# Altium PCB fish_v1.1.PcbDoc
Units mm, origin at the board's own origin, x right, y up, seen from the top; angles counter-clockwise.
Board outline 70 x 58 mm, 2 copper layers (Top Layer, Bottom Layer); 44 components, 34 nets, 153 pads, 157 vias.
Unrouted connection lines stored in the file: 42.
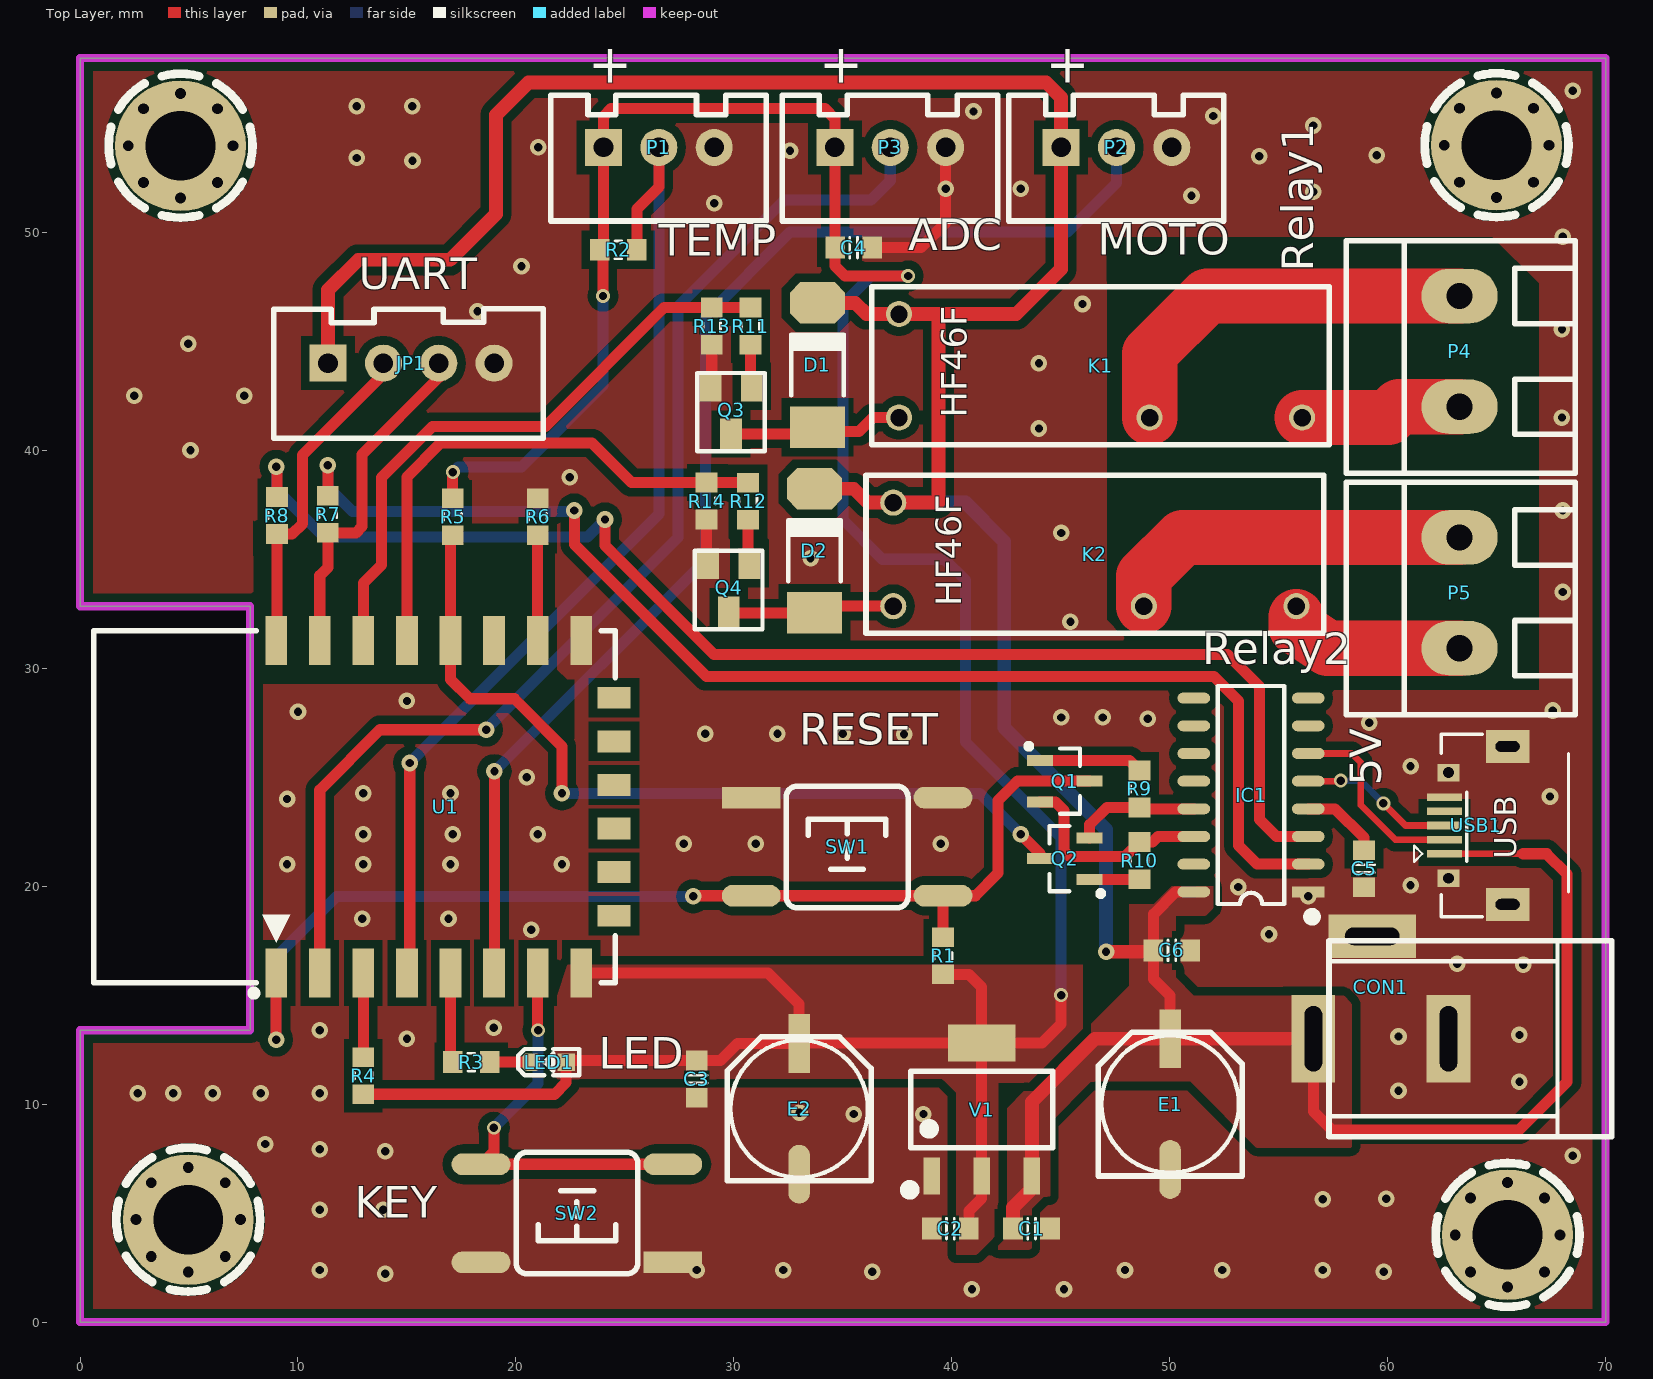
[diagram p0: Top Layer view]
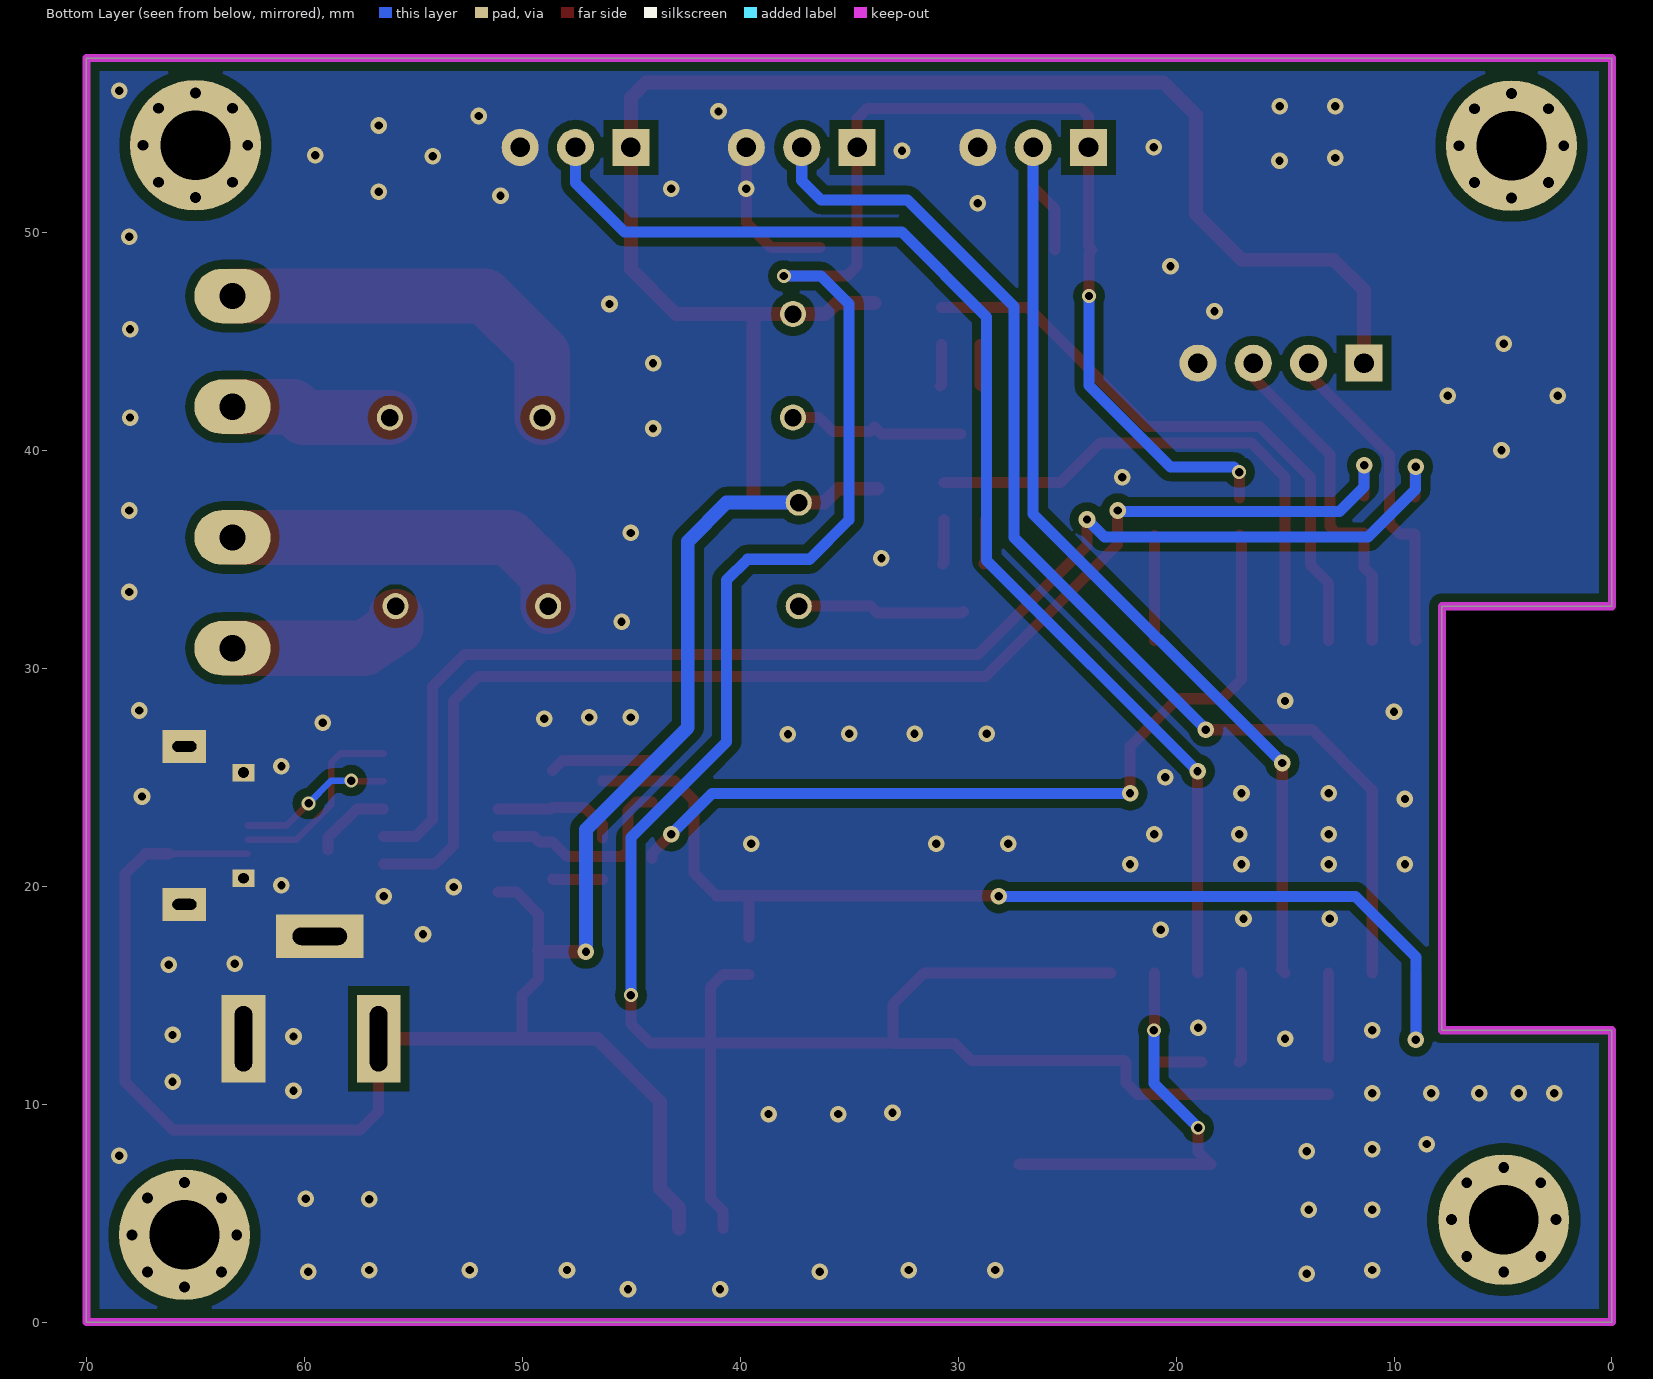
[diagram p1: Bottom Layer view, seen from below]

## Layer stack, top to bottom
Top Solder: solder mask 0.0102, Solder Resist, Dk 3.5
Top Layer: signal copper 0.0356
Dielectric 1: dielectric 0.32, FR-4, Dk 4.8
Bottom Layer: signal copper 0.0356
Bottom Solder: solder mask 0.0102, Solder Resist, Dk 3.5

## Board outline
0,13.386 7.799,13.386 7.799,32.848 0,32.848 0,58 70,58 70,0 0,0

## Design rules (kind name [scope] priority, off if disabled: settings)
Clearance [All] p1: gap=0.254 ignorepadtopadclearanceinfootprint=FALSE except(0: Arc-Hole Track-Hole SMDPad-Hole THPad-Hole Via-Hole Fill-Hole Poly-Hole Region-Hole Text-Hole; 0.4: Arc-Fill Arc-Poly Arc-Region Track-Fill Track-Poly Track-Region SMDPad-Fill SMDPad-Poly SMDPad-Region THPad-Fill THPad-Poly THPad-Region Via-Fill Via-Poly Via-Region Fill-Fill Fill-Poly Fill-Region Poly-Poly Poly-Region Region-Region)
PolygonConnect [All] p1: connectstyle=Direct reliefconductorwidth=0.254 reliefentries=4 polygonreliefangle="90 Angle" airgapwidth=0.254
RoutingVias [All] p1: holewidth=0.381 width=0.635 viastyle="Through Hole" minholewidth=0.381 minwidth=0.635 maxholewidth=0.711 maxwidth=1.27
SolderMaskExpansion [All] p1: expansion=0.102
Width [All] p1: maxlimit=2.54 minlimit=0.254 preferedwidth=0.3
30 further rules are at their usual default settings.

## Components (designator, comment, footprint, x,y, rotation, side; value= is the part's Value field where it differs from the comment)
C1 "104" CAP_0603 43.661,4.289 r180 top
C2 "104" CAP_0603 39.939,4.289 r0 top
C3 "106" CAP_0603 28.3,11.148 r90 top
C4 "104" CAP_0603 35.5,49.3 r180 top
C5 "104" CAP_0603 58.918,20.803 r270 top
C6 "104" CAP_0603 50.1,17.05 r180 top
CON1 "3.5*1.3" DC-005 62.795,13 r0 top
D1 "Diode  Glass" "MELF (LL41)" 33.839,43.916 r90 top
D2 "Diode  Glass" "MELF (LL41)" 33.702,35.388 r90 top
E1 "10uF/10V" "CM D(6.3*5.4)" 50.023,10 r90 top
E2 "10uF/10V" "CM D(6.3*5.4)" 33,9.784 r90 top
IC1 "CH340G" SOP16_L 53.736,24.183 r180 top
JP1 "HDR-1X4" XH2.54-4P 11.38,44 r0 top
K1 "Relay-SPST" RELAY_HF46F 46.829,43.878 r0 top
K2 "Relay-SPST" RELAY_HF46F 46.565,35.223 r0 top
LED1 "蓝色" LED0603BLU 21.506,11.927 r180 top
P1 "Header 3" XH2.54-3P 24.02,53.9 r0 top
P2 "舵机" XH2.54-3P 45.02,53.9 r0 top
P3 "AD传感器" XH2.54-3P 34.639,53.9 r0 top
P4 "Header 2" KF128-5.08-2P 63.303,42 r90 top
P5 "Header 2" KF128-5.08-2P 63.303,30.92 r90 top
Q1 "SS8050" SOT23-3N 45.185,24.818 r270 top
Q2 "SS8050" SOT23-3N 45.185,21.262 r90 top
Q3 "NPN-SMT" SOT-23 30.825,42.949 r180 top
Q4 "NPN-SMT" SOT-23 30.715,34.794 r180 top
R1 "1K" RES_0603 39.6,16.8 r90 top
R2 "1K" RES_0603 24.7,49.2 r0 top
R3 "1K" RES_0603 17.956,11.927 r0 top
R4 "1K" RES_0603 13,11.3 r90 top
R5 "1K" RES_0603 17.1,36.952 r90 top
R6 "1K" RES_0603 21,36.95 r90 top
R7 "1K" RES_0603 11.369,37.059 r90 top
R8 "1K" RES_0603 9.032,37.008 r90 top
R9 "1K" RES_0603 48.614,24.46 r90 top
R10 "1K" RES_0603 48.614,21.174 r270 top
R11 "Resistor Chip" RES_0603 30.764,45.702 r90 top
R12 "Resistor Chip" RES_0603 30.654,37.666 r90 top
R13 "Resistor Chip" RES_0603 28.986,45.702 r90 top
R14 "Resistor Chip" RES_0603 28.749,37.674 r90 top
SW1 "6x6x5" "TSW SMD-6*6*4.3" 35.2,21.8 r0 top
SW2 "6x6x5" "TSW SMD-6*6*4.3" 22.8,5 r180 top
U1 "ESP8266-12E" ESP_12E 9,15.644 r90 top
USB1 "USB-5P" USB-MICRO_B 65.505,22.786 r90 top
V1 "AMS1117-3V3" SOT223_L 41.375,9.75 r0 top

## Footprints (in the part's own frame and the unit in brackets; to place one, negate y for a bottom-side part, rotate by r counter-clockwise, add the part's x,y. Pads: shape width x height; smd on the part's side, far side on the other; paste and mask are expansions set on the pad)
CAP_0603 [mm] "Chip Capacitor, Body 1.6x0.8mm, 06"
  rect 0.9x1 smd: 1(-0.85,0) 2(0.85,0)
  Top Layer pour cut-out: -0.4,0.6 0.4,0.6 0.4,-0.6 -0.4,-0.6
  silkscreen extent -0.18,-0.48 0.18,0.48, body extent -0.85,-0.45 0.85,0.45, height 0.89
"CM D(6.3*5.4)" [mm] "贴片电解电容，直径6.3mm，高5.4mm"
  rect 2.7x1 smd: 1(3,0)
  oval 2.7x1 smd: 2(-3,0)
  silkscreen extent -3.3,-3.3 3.3,3.3, body extent -3.5,-3.3 3.5,3.3, height 5.4
DC-005 [mm] "5.5*2.1mm，DC30V,2.5A"
  rect 2x4 hole 0.8 slot 3 at 90 deg: 1(-6.2,0) 2(0,0)
  rect 4x2 hole 0.8 slot 2.5 at 0 deg: 3(-3.5,4.7)
  silkscreen extent -5.48,-4.5 7.5,4.5, body extent -6.55,-4.5 7.5,4.8, height 11.2
ESP_12E [mm] "ESP-12 Wi-Fi Module by AI-Thinker"
  rect 2.25x1 smd: 1(0.375,0) 2(0.375,-2) 3(0.375,-4) 4(0.375,-6) 5(0.375,-8) 6(0.375,-10) 7(0.375,-12) 8(0.375,-14) 15(15.625,-14) 16(15.625,-12) 17(15.625,-10) 18(15.625,-8) 19(15.625,-6) 20(15.625,-4) 21(15.625,-2) 22(15.625,0)
  rect 1x1.5 smd: 9(3,-15.5) 10(5,-15.5) 11(7,-15.5) 12(9,-15.5) 13(11,-15.5) 14(13,-15.5)
  silkscreen extent -0.7,-15.57 16.08,8.37, body extent 0,-15.49 16,8.51, height 2.75
KF128-5.08-2P [mm] "螺钉式接线端子，脚距5.08mm"
  oval 2.5x3.5 hole 1.2: 1(0,0) 2(5.08,0)
  silkscreen extent -3.05,-5.31 7.62,5.21, body extent -3.04,-5.3 7.62,5.2, height 14.15
LED0603BLU [mm] "LED SMD 0603, BLUE"
  rect 0.8x0.8 smd mask+0.075: 1(-0.8,0)
  rrect50% 0.8x0.8 smd mask+0.075: 2(0.8,0)
  silkscreen extent -1.4,-0.6 1.4,0.6, body extent -0.8,-0.4 0.8,0.4, height 0.5
"MELF (LL41)" [mm] "2.4*5.3mm(直径，脚距）"
  rect 1.9x2.54 smd: 1(-2.85,0)
  oct 1.9x2.54 smd: 2(2.85,0)
  silkscreen extent -1.4,-1.2 1.4,1.2, body extent -2.65,-1.2 2.65,1.2, height 2.4
RELAY_HF46F [mm]
  round 1.2 hole 0.8: 1(2.25,-2.375) 2(9.25,-2.375) 3(-9.25,2.375) 4(-9.25,-2.375)
  silkscreen extent -10.5,-3.62 10.5,3.63
RES_0603 [mm]
  rect 0.9x1 smd: 1(-0.85,0) 2(0.85,0)
  Top Layer pour cut-out: -0.4,0.6 0.4,0.6 0.4,-0.6 -0.4,-0.6
  silkscreen extent -0.15,-0.41 0.15,0.41, body extent -0.87,-0.47 0.88,0.48, height 0.54
SOP16_L [mm] "10.3*6.2*1.8mm（长宽高）"
  rect 1.5x0.5 smd: 1(-2.625,4.445)
  oval 1.5x0.5 smd: 2(-2.625,3.175) 3(-2.625,1.905) 4(-2.625,0.635) 5(-2.625,-0.635) 6(-2.625,-1.905) 7(-2.625,-3.175) 8(-2.625,-4.445) 9(2.625,-4.445) 10(2.625,-3.175) 11(2.625,-1.905) 12(2.625,-0.635) 13(2.625,0.635) 14(2.625,1.905) 15(2.625,3.175) 16(2.625,4.445)
  silkscreen extent -2.95,-5 1.52,5.74, body extent -3,-5 3,5, height 1.9
SOT23-3N [mm] "3x1.3x1mm(长宽高)"
  rect 0.5x1.2 smd: 1(-0.95,-1.143) 2(0.95,-1.143) 3(0,1.143)
  silkscreen extent -1.72,-1.78 1.5,0.7, body extent -1.5,-1.2 1.5,1.2, height 1.05
SOT223_L [mm] "6.4x7x1.6mm(长宽高)"
  rect 0.75x1.7 smd: 1(-2.3,-3.048) 2(0,-3.048) 3(2.3,-3.048)
  rect 3.1x1.7 smd: 2(0,3.048)
  silkscreen extent -3.5,-3.88 3.25,1.75, body extent -3.25,-3.51 3.25,3.51, height 1.65
SOT-23 [mm]
  rect 1x1.4 smd: 1(0,0) 2(1.9,0) 3(0.95,2.2)
  silkscreen extent -0.6,-0.6 2.5,3, body extent -0.51,-0.18 2.39,2.62
"TSW SMD-6*6*4.3" [mm] "6*6*4.3mm"
  rect 2.7x1 smd: 1(-4.4,2.261)
  oval 2.7x1 smd: 2(-4.4,-2.239) 3(4.4,-2.239) 4(4.4,2.261)
  silkscreen extent -2.79,-2.79 2.79,2.79, body extent -4.5,-3 4.5,3, height 4.25
USB-MICRO_B [mm] "micro型USB ，5.7*7.8*2.5mm"
  rect 0.35x1.6 smd: 1(-1.3,2.9) 2(-0.65,2.9) 3(0,2.9) 4(0.65,2.9) 5(1.3,2.9)
  rect 1.5x2 hole 0.5 slot 1.1 at 90 deg: 5(-3.625,0) 5(3.625,0)
  rect 0.8x1 hole 0.5: 5(-2.425,2.71) 5(2.425,2.71)
  silkscreen extent -4.19,-2.79 4.19,4.3, body extent -4,-2.71 4,2.89, height 2.8
XH2.54-3P [mm] "接插件，3P"
  rect 1.7x1.7 hole 0.9: 1(0,0)
  round 1.7 hole 0.9: 2(2.54,0) 3(5.08,0)
  silkscreen extent -2.41,-3.38 7.47,2.39, body extent -2.5,-3.3 7.58,2.4, height 7.03
XH2.54-4P [mm] "接插件，4P"
  rect 1.7x1.7 hole 0.9: 1(0,0)
  round 1.7 hole 0.9: 2(2.54,0) 3(5.08,0) 4(7.62,0)
  silkscreen extent -2.49,-3.45 9.88,2.49, body extent -2.5,-3.3 10.12,2.4, height 7.03

## Part data
C1 C2 C3 C4 C5 C6: library part C, "无极性贴片电容", BOM名称=无, 学习资源=https://lmdzstyle.taoba
CON1: library part P-DC, "低压电源接口", BOM名称=DCµ, 学习资源=https://lmdzstyle.taoba
D1 D2: "High Conductance Fast Diode", Package Reference=DO-35, Code - JEDEC=DO-204-AH, Datasheet="Latest Revision: 1997", Model=IN4148, Published=8-Jun-2000, Publisher="Altium Limited", Revision 1="11-Jul-2000: SIM Model Added.", Revision 2="17-Jul-2002: Re-released for DXP Platform."
E1 E2: library part C-CM, "贴片电解电容"
IC1: "串口转USB", BOM名称=串, 学习资源=https://lmdzstyle.taoba
JP1: library part "Header 4", "4P接插件", BOM名称=4P, 学习资源=https://lmdzstyle.taoba
K1 K2: "Single-Pole Single-Throw Relay", Published=24-Mar-1999, Publisher="Altium Limited", Revision="July-2002: Re-released for DXP Platform."
LED1: library part LED-3MM, "插件LED", BOM名称=², 学习资源=https://lmdzstyle.taoba
P1: "Header, 3-Pin", LatestRevisionDate=17-Jul-2002, LatestRevisionNote="Re-released for DXP Platform.", Publisher="Altium Limited"
P2 P3: library part "Header 3", "Header, 3-Pin", LatestRevisionDate=17-Jul-2002, LatestRevisionNote="Re-released for DXP Platform.", Publisher="Altium Limited"
P4 P5: "Header, 2-Pin", LatestRevisionDate=17-Jul-2002, LatestRevisionNote="Re-released for DXP Platform.", Publisher="Altium Limited"
Q1 Q2: library part 8050-SMD, "高频放大-NPN型", BOM名称=¸ßÆ, 学习资源=https://lmdzstyle.taoba, 属性="40V 1.5A 1W 100M"
Q3 Q4: "NPN Bipolar Transistor", Code - JEDEC=TO-226-AA, Published=8-Jun-2000, Publisher="Altium Limited", Revision="July-2002: Re-released for DXP Platform."
R1 R2 R3 R4 R5 R6 R7 R8 R9 R10: library part R, "贴片电阻", BOM名称=Ì, 学习资源=https://lmdzstyle.taoba
R11 R12 R13 R14: "Resistor", Published=8-Jun-2000, Publisher="Altium Limited", Revision="July-2002: Re-released for DXP Platform."
SW1 SW2: library part "TSW SMD-6x6", "贴片6x6轻触开关", BOM名称=贴片6, 学习资源=https://lmdzstyle.taoba
U1: "串口 WIFI模块，ESP-12E", BOM名称=WIFI, 学习资源=https://lmdzstyle.taoba
USB1: "微型USB母座", BOM名称=Î¢Ð, 学习资源=https://lmdzstyle.taoba
V1: library part AMS1117, "三端稳压芯片", BOM名称=Î, 学习资源=https://lmdzstyle.taoba

## Free pads (board coordinates)
  round 6 / inner round 3.5 / far side round 6 hole 3.2 mask+0.1: 1(4.611,53.978) 1(4.964,4.695) 1(65,54) 1(65.505,4)

## Via types
v1: diameter 0.762, hole 0.381, Top Layer to Bottom Layer, tented both sides, 117 vias
v2: diameter 0.8, hole 0.5, Top Layer to Bottom Layer, 32 vias
v3: diameter 0.635, hole 0.381, Top Layer to Bottom Layer, tented both sides, 8 vias

## Nets (pads, with @x,y where several pads share a name; then routed paths per layer and width w, separated by ;. In a path a pad name is that pad's centre, name@x,y a point inside that pad or via, vN(x,y) a via of type N, cw(c..) or ccw(c..) an arc to the next point about the centre after c; other vN are vias at no path point)
+3.3: C2.2 C3.2 C4.2 E2.1 LED1.1 P1.1 P3.1 R1.1 R2.1 R4.1 R5.2 U1.8 V1.2 | length 145.5
  Top Layer w0.508: R4.1 21.768,10.45 22.306,10.988 LED1.1 22.377,11.998 C3.2 29.386,11.998 30.173,12.784 E2.1 ; R5.2 17.1,38.994 v3(17.106,39) ; U1.8 31.57,16.019 33,14.589 E2.1 ; v3(24,47.08) 24,49.05 R2.1 24.02,49.37 P1.1 24.02,55.323 24.374,55.677 34.176,55.677 34.639,55.214 P3.1 34.65,53.889 C4.2 34.65,48.45 35.1,48 v3(38,48) ; R1.1 40.8,15.95 41.375,15.375 V1.2@41.375,12.798 ; C2.2 40.789,5.087 41.375,5.673 41.375,6.702 V1.2@41.375,12.798 ; v3(45.02,15) 45.02,13.674 44.144,12.798 V1.2@41.375,12.798 ; E2.1 33.014,12.798 V1.2@41.375,12.798
  Bottom Layer w0.508: v3(17.106,39) 17.349,39.243 20.264,39.243 24,42.979 v3(24,47.08) ; v3(38,48) 36.288,48 35,46.712 35,36.814 36.814,35 39.669,35 40.624,34.046 40.624,26.625 45.02,22.229 v3(45.02,15)
+5: C1.2 C6.2 CON1.1 D1.2 D2.2 E1.1 IC1.16 JP1.1 K1.3 K2.3 P2.1 USB1.1 V1.3 | length 167.8
  Top Layer w0.305: USB1.1 66.219,21.486
  Top Layer w0.508: E1.1 50.023,14.977 49.25,15.75 C6.2 49.25,18.711 50.277,19.738 IC1.16 ; CON1.1 56.595,9.663 57.444,8.814 66.03,8.814 68.239,11.024 68.239,20.549 67.302,21.486 66.219,21.486
  Top Layer w0.635: JP1.1 11.38,47.357 12.766,48.743 16.982,48.743 19.09,50.851 19.09,55.387 20.574,56.871 44.338,56.871 45.02,56.189 P2.1 45.02,48.312 42.961,46.253 39.385,46.253 ; D2.2 35.505,38.238 36.145,37.598 K2.3 39.385,37.598 39.385,46.253 ; D1.2 35.57,46.766 36.083,46.253 K1.3 39.385,46.253 ; C1.2 42.811,5.255 43.675,6.119 V1.3 43.675,10.107 46.568,13 E1.1 CON1.1 ; v1(47.081,16.993) 49.193,16.993 C6.2
  Bottom Layer w0.635: K2.3 40.624,37.598 42.408,35.814 42.408,27.28 47.081,22.606 v1(47.081,16.993)
ADC: P3.2 U1.2 | length 53.9
  Top Layer w0.508: U1.2 11,24.409 13.769,27.178 v1(18.633,27.178)
  Bottom Layer w0.508: v1(18.633,27.178) 27.447,35.992 27.447,46.609 32.325,51.487 36.288,51.487 37.179,52.379 P3.2
DS18B20: P1.2 R2.2 U1.4 | length 47.8
  Top Layer w0.508: U1.4 15.153,16.172 15.128,16.198 v1(15.128,25.654) ; R2.2 25.55,51.064 26.56,52.074 P1.2
  Bottom Layer w0.508: v1(15.128,25.654) 26.56,37.086 P1.2
GND: C1.1 C2.1 C3.1 C4.1 C5.2 C6.1 CON1.2 CON1.3 E1.2 E2.2 IC1.1 JP1.4 P1.3 P2.3 P3.3 Q3.2 Q4.2 R6.2 R13.1 R14.1 SW1.1 SW1.4 SW2.1 SW2.4 U1.15 USB1.5 V1.1 | length 11.3
  Top Layer w0.508: R14.1 28.749,34.86 Q4.2 ; Q3.2 28.986,43.01 R13.1 ; C4.1 38.582,49.3 39.719,50.437 P3.3
  other v1: 40.926,1.5 45.151,1.5 14,2.22 36.35,2.303 59.818,2.303 11,2.383 28.3,2.383 32.269,2.383 47.951,2.383 52.408,2.383 57.031,2.383 11,5.152 13.92,5.152 57.031,5.634 59.935,5.659 68.5,7.625 14,7.841 11,7.929 8.5,8.165 35.5,9.542 38.7,9.542 33.014,9.6 2.652,10.5 4.28,10.5 6.092,10.5 8.286,10.5 11,10.5 60.5,10.616 66.048,11.024 15,13 60.5,13.1 66.048,13.175 11,13.386 18.989,13.5 66.219,16.4 63.192,16.438 54.555,17.794 20.706,18 12.944,18.5 16.908,18.5 56.361,19.533 53.152,19.96 61.054,20.039 9.5,21 13,21 17,21 22.113,21 27.7,21.95 31,21.95 39.5,21.95 13,22.377 17.106,22.377 21,22.377 9.5,24 67.454,24.116 13,24.257 17,24.257 20.5,25 61.054,25.5 37.813,26.974 28.692,27 32,27 35,27 59.163,27.5 49,27.686 45.02,27.744 46.93,27.744 10,28 67.58,28.06 15,28.5 45.446,32.135 68.031,33.5 33.522,35.052 45.02,36.209 68.031,37.236 22.468,38.76 5.068,40 44,41 68,41.503 2.481,42.5 7.528,42.5 44,44 4.964,44.892 68,45.554 18.239,46.381 46,46.712 20.258,48.45 68.031,49.8 29.1,51.341 51,51.687 56.595,51.869 39.719,52 43.17,52 15.255,53.294 12.7,53.416 54.117,53.5 59.5,53.543 32.578,53.748 21.021,53.9 56.595,54.906 52,55.339 41,55.551 12.7,55.79 15.24,55.79 68.5,56.5
GPIO0: Q2.3 R5.1 U1.18 | length 38.5
  Top Layer w0.508: R5.1 17,36.002 U1.18 17,29.487 17.887,28.6 19.929,28.6 22.113,26.416 v1(22.113,24.257) ; v1(43.17,22.377) 44.042,21.505 Q2.3
  Bottom Layer w0.508: v1(22.113,24.257) 41.29,24.257 v1(43.17,22.377)
NetC5_1: C5.1 IC1.4 | length 3.7
  Top Layer w0.508: IC1.4 57.595,23.548 58.918,22.225 C5.1
NetD1_1: D1.1 K1.4 Q3.3 | length 8.2
  Top Layer w0.508: Q3.3 33.522,40.749 D1.1 34.036,40.869 35.753,40.869 36.387,41.503 K1.4
NetD2_1: D2.1 K2.4 Q4.3 | length 7.7
  Top Layer w0.508: Q4.3 29.821,32.538 D2.1 34.012,32.848 K2.4
NetIC1_2: IC1.2 R7.2 | length 59.4
  Top Layer w0.508: R7.2 v1(11.369,39.319) ; v1(22.672,37.236) 22.697,37.211 22.697,35.672 28.753,29.616 52.034,29.616 53.152,28.499 53.152,21.869 54.013,21.008 IC1.2
  Bottom Layer w0.508: v1(11.369,39.319) 11.369,38.316 12.499,37.186 v1@22.672,37.186
NetIC1_3: IC1.3 R8.2 | length 61.3
  Top Layer w0.508: v1(9.007,39.243) 9.032,39.243 R8.2 ; v1(24.088,36.824) 24.088,35.635 29.091,30.632 52.644,30.632 54.117,29.159 54.117,23.063 54.902,22.278 IC1.3
  Bottom Layer w0.508: v1(9.007,39.243) 9.007,38.205 11.195,36.017 23.281,36.017 v1(24.088,36.824)
NetIC1_5: IC1.5 USB1.3 | length 7.1
  Top Layer w0.305: IC1.5 57.828,24.818 v3(57.851,24.841) ; v3(59.807,23.8) 60.82,22.786 USB1.3
  Bottom Layer w0.305: v3(57.851,24.841) 58.765,24.841 v3(59.807,23.8)
NetIC1_6: IC1.6 USB1.2 | length 9
  Top Layer w0.305: IC1.6 58.357,26.088 58.765,25.679 58.765,23.724 60.353,22.136 USB1.2
NetIC1_13: IC1.13 Q2.2 R9.1 | length 5.7
  Top Layer w0.508: Q2.2 46.328,22.818 47.12,23.61 R9.1 48.676,23.548 IC1.13
NetIC1_14: IC1.14 Q1.2 R10.1 | length 9.6
  Top Layer w0.508: Q1.2 44.752,23.868 45.151,23.47 45.151,21.615 45.405,21.361 47.951,21.361 R10.1 49.217,22.024 49.471,22.278 IC1.14
NetK1_1: K1.1 P4.2 | length 18.3
  Top Layer w2.54: K1.1 49.079,44.441 51.718,47.08 P4.2
NetK1_2: K1.2 P4.1 | length 7.4
  Top Layer w2.54: K1.2 60.035,41.503 60.532,42 P4.1
NetK2_1: K2.1 P5.2 | length 16.6
  Top Layer w2.54: K2.1 48.815,34.22 50.595,36 P5.2
NetK2_2: K2.2 P5.1 | length 8.3
  Top Layer w2.54: K2.2@55.815,32.365 55.815,31.881 57.258,30.92 P5.1
NetLED1_2: LED1.2 R3.2 | length 1.9
  Top Layer w0.508: R3.2 LED1.2
NetQ1_1: Q1.1 R9.2 | length 4.8
  Top Layer w0.508: Q1.1 48.156,25.768 R9.2
NetQ2_1: Q2.1 R10.2 | length 2.3
  Top Layer w0.508: Q2.1 48.602,20.312 R10.2
NetQ3_1: Q3.1 R11.1 | length 1.9
  Top Layer w0.508: R11.1 30.764,43.01 Q3.1
NetQ4_1: Q4.1 R12.1 | length 2
  Top Layer w0.508: R12.1 30.654,34.855 Q4.1
NetR3_1: R3.1 U1.5 | length 4.1
  Top Layer w0.508: U1.5 17,12.033 R3.1
NetR4_2: R4.2 U1.3 | length 3.9
  Top Layer w0.508: R4.2 U1.3
NetR6_1: R6.1 U1.16 | length 4.8
  Top Layer w0.508: U1.16 R6.1
NetSW2_2: SW2.2 SW2.3 U1.7 | length 18.7
  Top Layer w0.508: v3(18.989,8.915) 18.989,7.828 SW2.3 SW2.2 ; U1.7 21,13.407 v3(21.021,13.386)
  Bottom Layer w0.508: v3(18.989,8.915) 21.021,10.947 v3(21.021,13.386)
PWM1: P2.2 U1.6 | length 57.2
  Top Layer w0.508: U1.6 19.014,16.033 v1(19.014,25.273)
  Bottom Layer w0.508: v1(19.014,25.273) 28.692,34.95 28.692,46.126 32.578,50.013 45.303,50.013 47.56,52.269 P2.2
Relay1: R11.2 R13.2 U1.20 | length 28
  Top Layer w0.508: U1.20 13,33.915 13.833,34.747 13.833,38.76 16.169,41.097 21.351,41.097 26.806,46.552 R13.2 R11.2
Relay2: R12.2 R14.2 U1.19 | length 24.6
  Top Layer w0.508: U1.19 15,38.785 16.55,40.335 23.485,40.335 25.296,38.524 R14.2 28.757,38.516 R12.2
RST: Q1.3 R1.2 SW1.2 SW1.3 U1.1 | length 51.4
  Top Layer w0.508: v1(9,12.954) U1.1 ; v1(28.133,19.533) 28.161,19.561 SW1.2 SW1.3 ; R1.2 SW1.3 ; Q1.3 43.019,24.818 42.128,23.927 42.128,20.599 41.089,19.561 SW1.3
  Bottom Layer w0.508: v1(9,12.954) 9,16.757 11.775,19.533 v1(28.133,19.533)
RXD: JP1.3 R7.1 U1.21 | length 15.7
  Top Layer w0.508: U1.21 11,34.251 11.369,34.62 R7.1 12.652,36.209 12.944,36.5 12.944,39.816 16.46,43.332 JP1.3
TXD: JP1.2 R8.1 U1.22 | length 15.2
  Top Layer w0.508: U1.22 9.032,31.301 R8.1 9.731,36.158 10.2,36.627 10.2,39.775 13.92,43.494 JP1.2
pads on no net: IC1.7 IC1.8 IC1.9 IC1.10 IC1.11 IC1.12 IC1.15 U1.9 U1.10 U1.11 U1.12 U1.13 U1.14 U1.17 USB1.4
copper on no net:
  other v2: 65.505,1.6 4.964,2.295 63.808,2.303 67.202,2.303 3.267,2.998 6.661,2.998 63.105,4 67.905,4 2.564,4.695 7.364,4.695 63.808,5.697 67.202,5.697 3.267,6.392 6.661,6.392 65.505,6.4 4.964,7.095 4.611,51.578 65,51.6 2.914,52.281 6.308,52.281 63.303,52.303 66.697,52.303 2.211,53.978 7.011,53.978 62.6,54 67.4,54 2.914,55.675 6.308,55.675 63.303,55.697 66.697,55.697 4.611,56.378 65,56.4

## Polygon pours and split planes (outlines as drawn)
GND on Top Layer "Top Layer-GND" (solid, remove dead copper, pour order 6): 0,58 0,0 70,0 70,58
+5 on Top Layer "Top Layer-+5" (solid, remove dead copper, pour order 4): 52,20 52,19 51.644,18.644 50.277,18.644 50.277,18.467 50.277,15.811 51.111,14.977 58,14.977 58.357,14.621 58.357,8.039 58.318,8 53.988,8 50.965,11.024 46.38,11.024 44.511,9.154 44.511,5.75 44.224,5.75 43.661,5.187 43.661,3.316 42.128,3.316 42.128,9.406 48.156,15.434 48.156,19.161 49.261,19.161 50.1,20
+3.3 on Top Layer "Top Layer-+3.3" (solid, remove dead copper, pour order 2): 22.377,16.4 46,16.4 46,13.175 43.814,10.988 42.128,10.988 42.128,4.069 41.153,3.094 40.2,3.094 40.2,10.519 39.571,11.148 21.92,11.148 21.768,11.3 21.768,14.589
no net on Top Layer "Top Layer-No Net" (solid, pour order 0): 22.377,16.033
GND on Bottom Layer "Top Layer-GND" (solid, remove dead copper, pour order 8): 0,58 0,0 70,0 70,58

## Keep-outs
Keep-Out Layer:
  lines w0.381: 0,13.386 7.799,13.386 7.799,32.848 0,32.848 ; 0,13.386 0,0 70,0 70,58 0,58 0,32.848 ; 0,13.386 0,13.386 ; 0,32.848 0,32.848

## Other copper
Top Layer:
  pour cut-out: 4.611,57.478 ccw(c4.611,53.978) 1.111,53.978 ccw(c4.611,53.978) 4.611,50.478 ccw(c4.611,53.978) 8.111,53.978 ccw(c4.612,53.978)
  pour cut-out: 65,57.5 ccw(c65,54) 61.5,54 ccw(c65,54) 65,50.5 ccw(c65,54) 68.5,54 ccw(c65,54)
  pour cut-out: 65.505,7.5 ccw(c65.505,4) 62.005,4 ccw(c65.505,4) 65.505,0.5 ccw(c65.505,4) 69.005,4 ccw(c65.505,4)
  pour cut-out: 4.964,8.195 ccw(c4.964,4.695) 1.464,4.695 ccw(c4.964,4.695) 4.964,1.195 ccw(c4.964,4.695) 8.464,4.695 ccw(c4.964,4.695)
  pour cut-out: 7.992,29.316 8.048,29.26 20.17,29.26 22.684,26.746 22.697,26.759 22.697,29.487 22.353,29.487 21.808,30.033 21.808,36.659 8.098,36.659 7.933,36.824
  pour cut-out: 47.12,45.701 47.12,32.215 48.335,31 54.508,31 56.508,29 66.949,29 66.949,47.663 64.812,49.8 47.081,49.8
Bottom Layer:
  pour cut-out: 4.611,57.478 ccw(c4.611,53.978) 1.111,53.978 ccw(c4.611,53.978) 4.611,50.478 ccw(c4.611,53.978) 8.111,53.978 ccw(c4.612,53.978)
  pour cut-out: 65,57.5 ccw(c65,54) 61.5,54 ccw(c65,54) 65,50.5 ccw(c65,54) 68.5,54 ccw(c65,54)
  pour cut-out: 65.505,7.5 ccw(c65.505,4) 62.005,4 ccw(c65.505,4) 65.505,0.5 ccw(c65.505,4) 69.005,4 ccw(c65.505,4)
  pour cut-out: 4.964,8.195 ccw(c4.964,4.695) 1.464,4.695 ccw(c4.964,4.695) 4.964,1.195 ccw(c4.964,4.695) 8.464,4.695 ccw(c4.964,4.695)

## Silkscreen, mask and mechanical layers (free items; w line width, h text height)
Top Overlay:
  lines w0.4: 1.424,53.124 cw(c4.611,53.978) 1.424,54.832 ; 1.754,52.328 ccw(c4.611,53.978) 2.961,51.12 ; 1.754,55.628 cw(c4.611,53.978) 2.961,56.836 ; 1.777,3.841 cw(c4.964,4.695) 1.777,5.549 ; 2.106,3.045 ccw(c4.964,4.695) 3.314,1.837 ; 2.106,6.345 cw(c4.964,4.695) 3.314,7.553 ; 3.757,50.79 ccw(c4.611,53.978) 5.466,50.79 ; 3.757,57.165 cw(c4.611,53.978) 5.466,57.165 ; 4.11,1.508 ccw(c4.964,4.695) 5.818,1.508 ; 4.11,7.883 cw(c4.964,4.695) 5.818,7.883 ; 6.261,51.12 ccw(c4.611,53.978) 7.469,52.328 ; 6.261,56.836 cw(c4.611,53.978) 7.469,55.628 ; 6.614,1.837 ccw(c4.964,4.695) 7.822,3.045 ; 6.614,7.553 cw(c4.964,4.695) 7.822,6.345 ; 7.799,53.124 ccw(c4.611,53.978) 7.799,54.832 ; 8.152,3.841 ccw(c4.964,4.695) 8.152,5.549 ; 61.812,53.146 cw(c65,54) 61.812,54.854 ; 62.142,52.35 ccw(c65,54) 63.35,51.142 ; 62.142,55.65 cw(c65,54) 63.35,56.858 ; 62.317,3.146 cw(c65.505,4) 62.317,4.854 ; 62.647,2.35 ccw(c65.505,4) 63.855,1.142 ; 62.647,5.65 cw(c65.505,4) 63.855,6.858 ; 64.146,50.812 ccw(c65,54) 65.854,50.812 ; 64.146,57.188 cw(c65,54) 65.854,57.188 ; 64.651,0.812 ccw(c65.505,4) 66.359,0.812 ; 64.651,7.188 cw(c65.505,4) 66.359,7.188 ; 66.65,51.142 ccw(c65,54) 67.858,52.35 ; 66.65,56.858 cw(c65,54) 67.858,55.65 ; 67.155,1.142 ccw(c65.505,4) 68.363,2.35 ; 67.155,6.858 cw(c65.505,4) 68.363,5.65 ; 68.188,53.146 ccw(c65,54) 68.188,54.854 ; 68.693,3.146 ccw(c65.505,4) 68.693,4.854
  text "+" at 23.309,56.288 h3
  text "+" at 33.928,56.288 h3
  text "+" at 44.309,56.288 h3
  text "ADC" at 37.994,48.7 h2.5
  text "MOTO" at 46.7,48.5 h2.5
  text "TEMP" at 26.56,48.45 h2.5
  text "Relay1" at 57.065,48.2 h2.5 r90
  text "UART" at 12.8,46.9 h2.5
  text "Relay2" at 51.5,29.7 h2.5
  text "RESET" at 33,26 h2.5
  text "5V" at 60.2,24.612 h2.5 r90
  text "LED" at 23.8,11.148 h2.5
  text "KEY" at 12.6,4.3 h2.5

## Text inside footprints (layer, text, board x,y; h text height)
K1: Top Overlay "HF46F" at 41.079,41.503 h2 r90
K2: Top Overlay "HF46F" at 40.815,32.848 h2 r90
U1: Mechanical 13 "CUTOUT POLYGON" at 1.634,15.771 h0.25 r90; Mechanical 13 "ANTENNA AREA" at 1.126,15.771 h0.25 r90
USB1: Top Overlay "USB" at 65.907,21.262 h1.02 r90